# KiCad board Bongo-Cat-Fidget-Toy-panel.kicad_pcb (continued)
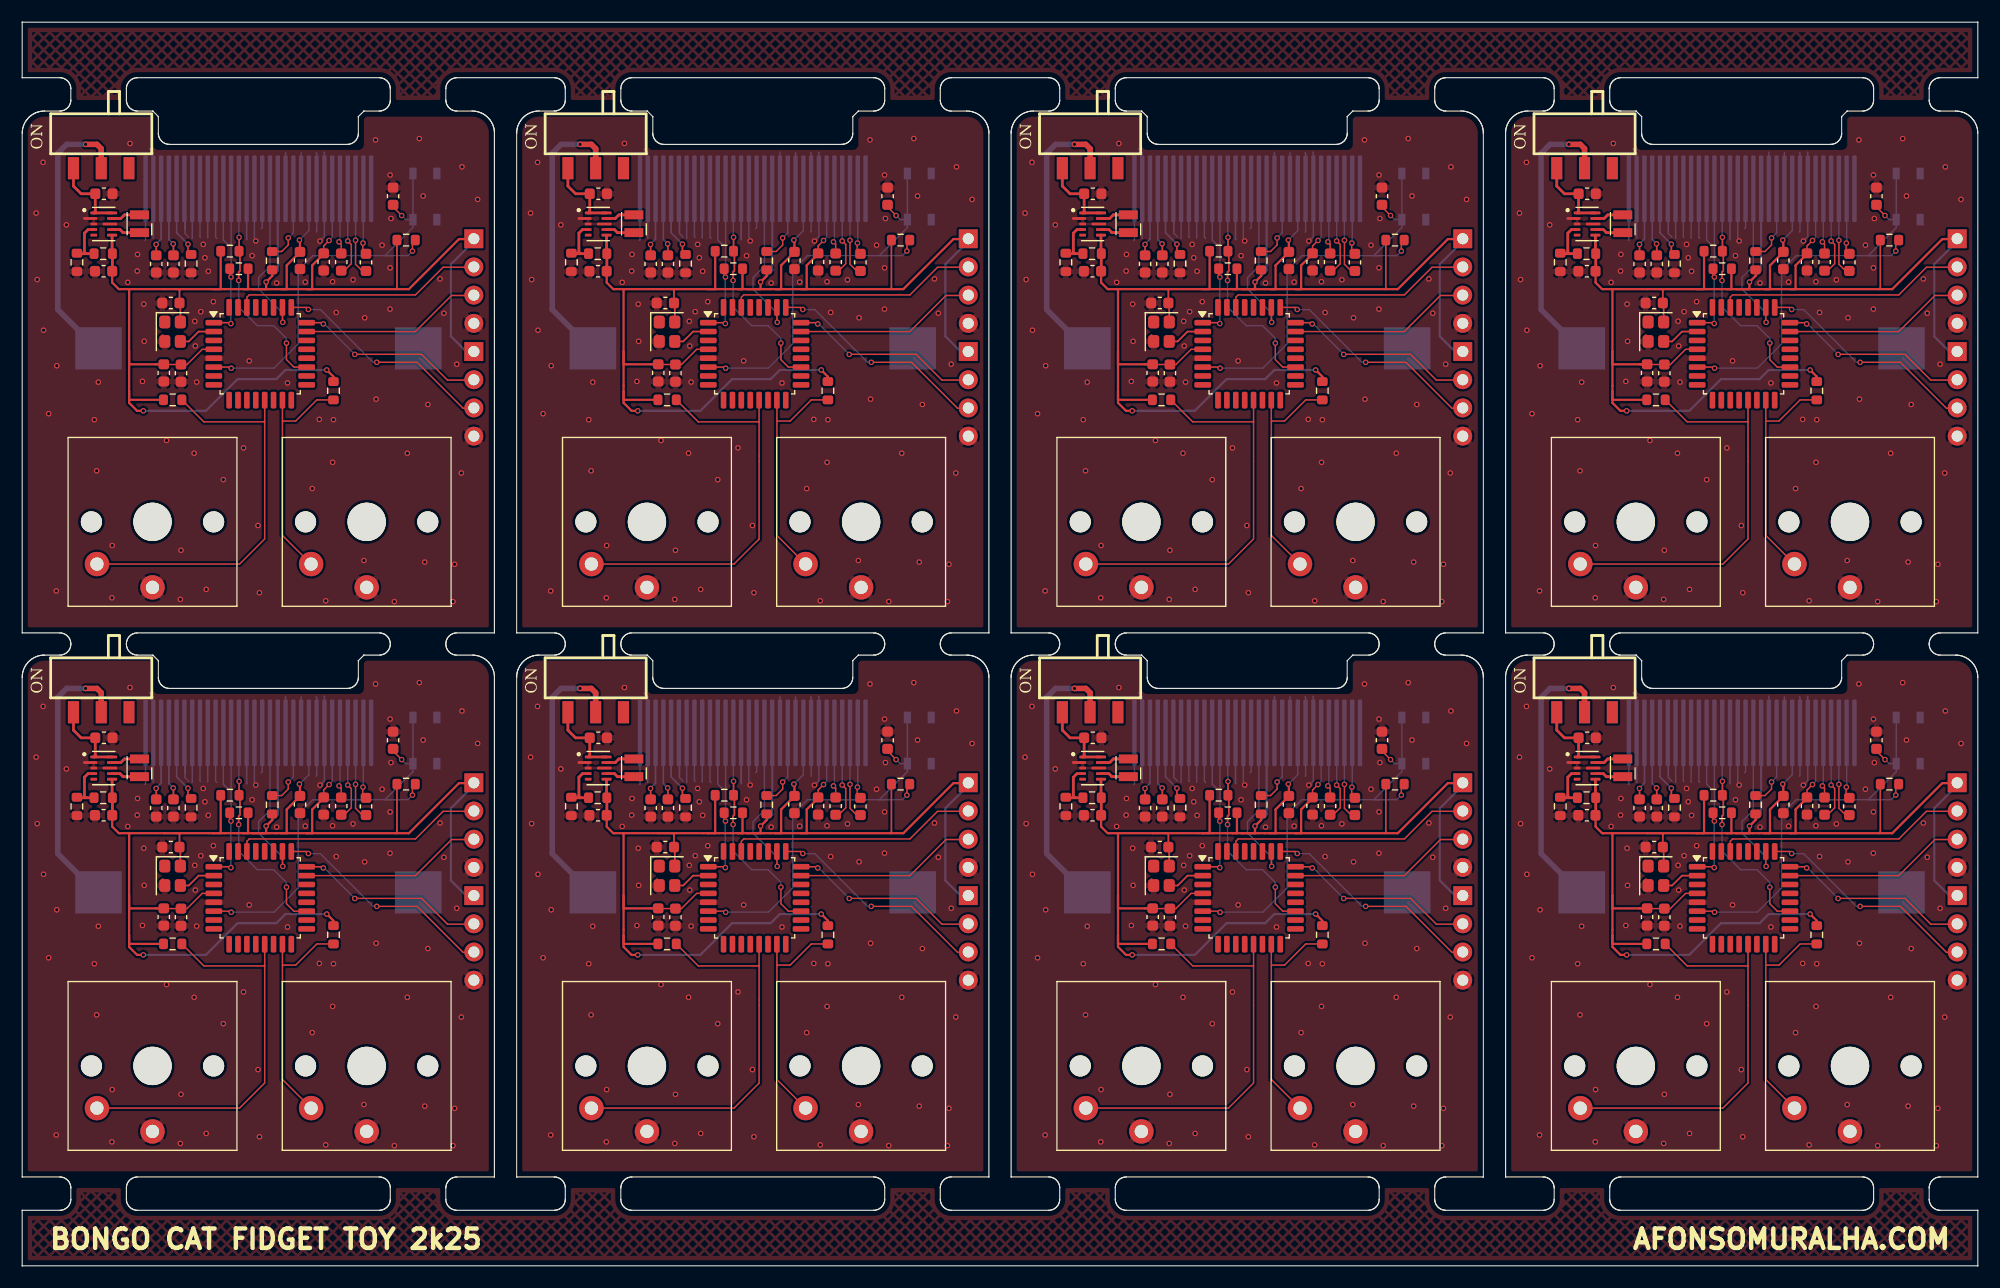
[diagram p0: board, top side]
## Routing (per net, layer and track width the routed paths; a pad name or vN(x,y) marks a point on that pad's centre or on a via; arc(x,y) is an arc through that point) (continued)
Board_7-Net-(J1-Pin_2): length 4.9
  Top w0.127: v1(164.17,43.11) 164.15,43.09 164.15,42.14
  Bottom w0.127: v1(164.17,43.11) 164.2,43.14 164.2,47
Board_7-Net-(J1-Pin_3): length 7
  Top w0.127: C9#8.1 164.1,40.6 163.5,41.2 v1(163.5,43.36)
  Bottom w0.127: 163.5,47 v1(163.5,43.36)
Board_7-Net-(J1-Pin_4): length 7.1
  Top w0.127: C8#6.2 162.5,40.63 163.12,41.25 163.12,42.98 v1(162.8,43.3)
  Bottom w0.127: v1(162.8,43.3) 162.8,47
Board_7-Net-(J1-Pin_5): length 4.9
  Top w0.127: C8#6.1 162.21,43.02 v1(162.01,43.22)
  Bottom w0.127: v1(162.01,43.22) 162.1,43.31 162.1,47
Board_7-Net-(J1-Pin_26): length 5.1
  Top w0.15: v1(148.42,43.01) 148.42,42.31 148.4,42.29
  Bottom w0.15: v1(148.42,43.01) 147.4,44.03 147.4,47
Board_7-Net-(J1-Pin_27): length 5.2
  Top w0.15: v1(147.09,43.04) 147.11,43.02 C12#4.2
  Bottom w0.15: v1(147.09,43.04) 146.7,43.43 146.7,47
Board_7-Net-(J1-Pin_28): length 5.2
  Top w0.15: v1(145.55,42.99) 145.56,42.98 C13#7.2
  Bottom w0.15: 146,47 146,43.48 145.55,43.03 v1(145.55,42.99)
Board_7-Net-(SW5-C): length 7.3
  Top w0.25: SW5#8.1 138.11,48.24 138.8,47.55 C1.1 140.07,45.96 U101#3.1 U101#3.10
Board_7-Net-(U101-FB): length 4.4
  Top w0.25: 139.22,42.16 138.47,42.16 R4#8.1 ; 139.22,42.16 139.1,42.28 139.1,44 139.43,44.33 U101#3.4 ; 139.22,42.16 R6#5.2
Board_7-Net-(U101-L1): length 2.6
  Top w0.25: L102#2.1 142.7,45.65 142.38,45.33 U101#3.9
Board_7-Net-(U101-L2): length 2.6
  Top w0.25: L102#2.2 142.57,44.05 142.57,44.05 142.3,44.33 U101#3.7

## Copper pours and planes (outline as drawn; the poured copper is in the pictures)
(no net) on Top: 4.88,6 3.38,4.5 0.5,4.5 0.5,0.5 175.5,0.5 175.5,4.5 172.62,4.5 171.12,6 171.12,7 167.12,7 167.12,6 165.63,4.5 143.87,4.5 142.38,6 142.38,7 138.38,7 138.38,6 136.88,4.5 128.12,4.5 126.62,6 126.62,7 122.62,7 122.62,6 121.13,4.5 99.37,4.5 97.88,6 97.88,7 93.88,7 93.88,6 92.38,4.5 83.62,4.5 82.12,6 82.12,7 78.12,7 78.12,6 76.63,4.5 54.87,4.5 53.38,6 53.38,7 49.38,7 49.38,6 47.88,4.5 39.12,4.5 37.62,6 37.62,7 33.62,7 33.62,6 32.13,4.5 10.37,4.5 8.88,6 8.88,7 4.88,7
(no net) on Top: 0.5,107.5 3.38,107.5 4.88,106 4.88,105 8.88,105 8.88,106 10.37,107.5 32.13,107.5 33.62,106 33.62,105 37.62,105 37.62,106 39.12,107.5 47.88,107.5 49.38,106 49.38,105 53.38,105 53.38,106 54.87,107.5 76.63,107.5 78.12,106 78.12,105 82.12,105 82.12,106 83.62,107.5 92.38,107.5 93.88,106 93.88,105 97.88,105 97.88,106 99.37,107.5 121.13,107.5 122.62,106 122.62,105 126.62,105 126.62,106 128.12,107.5 136.88,107.5 138.38,106 138.38,105 142.38,105 142.38,106 143.87,107.5 165.63,107.5 167.12,106 167.12,105 171.12,105 171.12,106 172.62,107.5 175.5,107.5 175.5,111.5 0.5,111.5
(no net) on Bottom: 0.5,107.5 3.38,107.5 4.88,106 4.88,105 8.88,105 8.88,106 10.37,107.5 32.13,107.5 33.62,106 33.62,105 37.62,105 37.62,106 39.12,107.5 47.88,107.5 49.38,106 49.38,105 53.38,105 53.38,106 54.87,107.5 76.63,107.5 78.12,106 78.12,105 82.12,105 82.12,106 83.62,107.5 92.38,107.5 93.88,106 93.88,105 97.88,105 97.88,106 99.37,107.5 121.13,107.5 122.62,106 122.62,105 126.62,105 126.62,106 128.12,107.5 136.88,107.5 138.38,106 138.38,105 142.38,105 142.38,106 143.87,107.5 165.63,107.5 167.12,106 167.12,105 171.12,105 171.12,106 172.62,107.5 175.5,107.5 175.5,111.5 0.5,111.5
(no net) on Bottom: 4.88,6 3.38,4.5 0.5,4.5 0.5,0.5 175.5,0.5 175.5,4.5 172.62,4.5 171.12,6 171.12,7 167.12,7 167.12,6 165.63,4.5 143.87,4.5 142.38,6 142.38,7 138.38,7 138.38,6 136.88,4.5 128.12,4.5 126.62,6 126.62,7 122.62,7 122.62,6 121.13,4.5 99.37,4.5 97.88,6 97.88,7 93.88,7 93.88,6 92.38,4.5 83.62,4.5 82.12,6 82.12,7 78.12,7 78.12,6 76.63,4.5 54.87,4.5 53.38,6 53.38,7 49.38,7 49.38,6 47.88,4.5 39.12,4.5 37.62,6 37.62,7 33.62,7 33.62,6 32.13,4.5 10.37,4.5 8.88,6 8.88,7 4.88,7
Board_0-GND on Top, Bottom: 0,57 42.5,57 42.5,104.01 28.26,104.01 27.76,103.51 14.73,103.51 14.24,104 0,104
Board_1-GND on Top, Bottom: 44.5,57 87,57 87,104.01 72.76,104.01 72.26,103.51 59.23,103.51 58.74,104 44.5,104
Board_2-GND on Top, Bottom: 89,57 131.5,57 131.5,104.01 117.26,104.01 116.76,103.51 103.73,103.51 103.24,104 89,104
Board_3-GND on Top, Bottom: 133.5,57 176,57 176,104.01 161.76,104.01 161.26,103.51 148.23,103.51 147.74,104 133.5,104
Board_4-GND on Top, Bottom: 0,8 42.5,8 42.5,55.01 28.26,55.01 27.76,54.51 14.73,54.51 14.24,55 0,55
Board_5-GND on Top, Bottom: 44.5,8 87,8 87,55.01 72.76,55.01 72.26,54.51 59.23,54.51 58.74,55 44.5,55
Board_6-GND on Top, Bottom: 89,8 131.5,8 131.5,55.01 117.26,55.01 116.76,54.51 103.73,54.51 103.24,55 89,55
Board_7-GND on Top, Bottom: 133.5,8 176,8 176,55.01 161.76,55.01 161.26,54.51 148.23,54.51 147.74,55 133.5,55

## Text on the board
B.Silkscreen: Afonso Muralha 2k25 | GND | SWDIO | SWCLK | 3V3 | TX | RX | JLCJLCJLCJLC
User.Comments: V-CUT
F.Silkscreen: BONGO CAT FIDGET TOY 2k25 | AFONSOMURALHA.COM | ON
